# KiCad board HALTEST.kicad_pcb (continued)
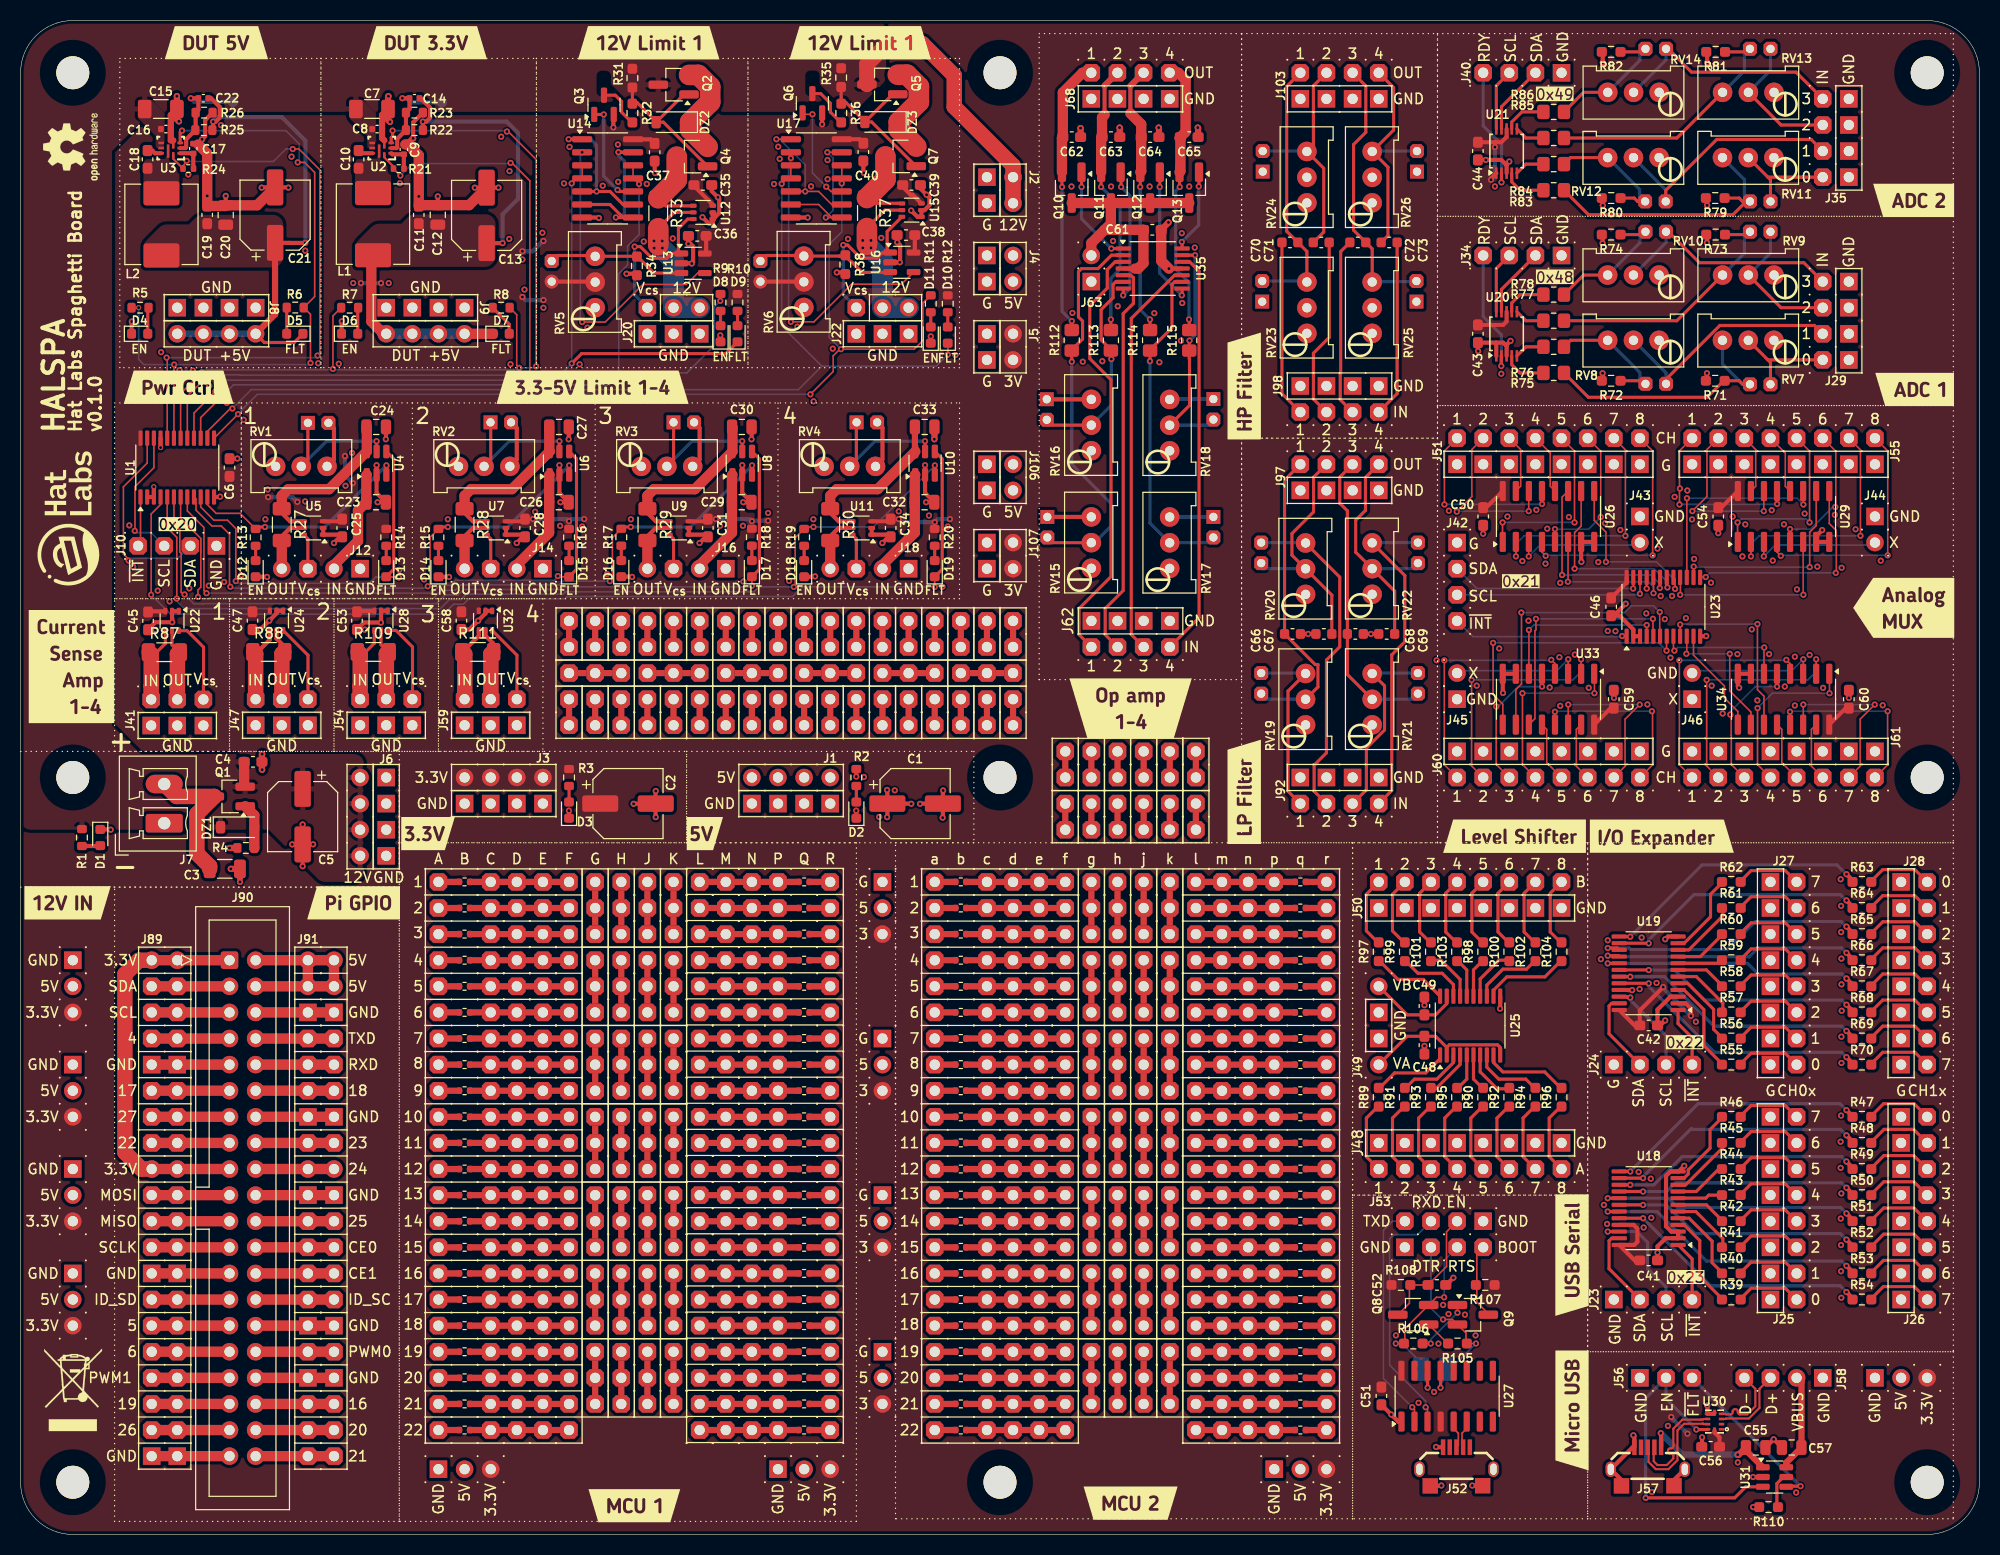
[diagram p0: board, top side]
## Routing (per net, layer and track width the routed paths; a pad name or vN(x,y) marks a point on that pad's centre or on a via; arc(x,y) is an arc through that point) (continued)
/USB serial interface/USB_D-: length 2.7
  Top w0.158: 140.28,8.49 140.18,8.59 140.18,9.85 140.64,10.31 U27.6
Net-(D1-A): length 1.8
  Top w0.4: R1.2 7.71,66.99 7.75,67.03
Net-(D2-A): length 1.6
  Top w0.3: D2.2 R2.2
Net-(D3-A): length 1.6
  Top w0.3: D3.2 R3.2
Net-(D4-A): length 2.6
  Top w0.3: R5.2 12.37,119.31 D4.2
Net-(D5-A): length 2.6
  Top w0.3: R6.2 25.88,119.39 D5.2
Net-(D6-A): length 2.6
  Top w0.3: R7.2 32.79,119.34 D6.2
Net-(D7-A): length 3.2
  Top w0.3: R8.2 47.52,117.77 D7.2
Net-(D8-A): length 1.4
  Top w0.3: D8.2 R9.2
Net-(D9-A): length 1.4
  Top w0.3: D9.2 R10.2
Net-(D10-A): length 1.4
  Top w0.3: D10.2 R11.2
Net-(D11-A): length 1.4
  Top w0.3: D11.2 R12.2
Net-(D12-A): length 1.6
  Top w0.3: D12.2 22.86,96.39
Net-(D13-A): length 1.7
  Top w0.3: D13.2 35.56,96.46
Net-(D14-A): length 1.6
  Top w0.3: D14.2 40.64,96.39
Net-(D15-A): length 1.7
  Top w0.3: D15.2 53.34,96.46
Net-(D16-A): length 1.6
  Top w0.3: 58.42,94.77 58.42,96.39
Net-(D17-A): length 1.7
  Top w0.3: 71.12,94.77 71.12,96.46
Net-(D18-A): length 1.6
  Top w0.3: D18.2 76.2,96.39
Net-(D19-A): length 1.7
  Top w0.3: D19.2 88.9,96.46
Net-(J69-Pin_1): length 2
  Top w0.6: J69.1 R116.1
Net-(J69-Pin_2): length 2
  Top w0.6: J69.2 R117.1
Net-(J69-Pin_3): length 2
  Top w0.6: J69.3 R118.1
Net-(J69-Pin_4): length 2
  Top w0.6: J69.4 R119.1
Net-(J69-Pin_5): length 2
  Top w0.6: J69.5 R120.1
Net-(J69-Pin_6): length 2
  Top w0.6: J69.6 R121.1
Net-(J69-Pin_7): length 2
  Top w0.6: J69.7 R122.1
Net-(J69-Pin_8): length 2
  Top w0.6: J69.8 R123.1
Net-(J69-Pin_9): length 2
  Top w0.6: J69.9 R124.1
Net-(J69-Pin_10): length 2
  Top w0.6: J69.10 R125.1
Net-(J69-Pin_11): length 2
  Top w0.6: J69.11 R126.1
Net-(J69-Pin_12): length 2
  Top w0.6: J69.12 R127.1
Net-(J69-Pin_13): length 2
  Top w0.6: J69.13 R128.1
Net-(J69-Pin_14): length 2
  Top w0.6: J69.14 R129.1
Net-(J69-Pin_15): length 2
  Top w0.6: J69.15 R130.1
Net-(J69-Pin_16): length 2
  Top w0.6: J69.16 R131.1
Net-(J69-Pin_17): length 2
  Top w0.6: J69.17 R132.1
Net-(J69-Pin_18): length 2
  Top w0.6: J69.18 R133.1
Net-(J69-Pin_19): length 2
  Top w0.6: J69.19 R134.1
Net-(J69-Pin_20): length 2
  Top w0.6: J69.20 R135.1
Net-(J69-Pin_21): length 2
  Top w0.6: J69.21 R136.1
Net-(J69-Pin_22): length 2
  Top w0.6: J69.22 R137.1
Net-(J70-Pin_1): length 9.7
  Top w0.6: R116.2 J72.1 J73.1
Net-(J70-Pin_2): length 9.7
  Top w0.6: J73.2 J72.2 R117.2
Net-(J70-Pin_3): length 9.7
  Top w0.6: R118.2 J72.3 J73.3
Net-(J70-Pin_4): length 9.7
  Top w0.6: R119.2 J72.4 J73.4
Net-(J70-Pin_5): length 9.7
  Top w0.6: J73.5 J72.5 R120.2
Net-(J70-Pin_6): length 12.2
  Top w0.6: J72.6 J73.6 ; J72.6 J71.6 ; J72.6 R121.2
Net-(J70-Pin_7): length 9.7
  Top w0.6: R122.2 J72.7 J73.7
Net-(J70-Pin_8): length 9.7
  Top w0.6: J73.8 J72.8 R123.2
Net-(J70-Pin_9): length 12.2
  Top w0.6: R124.2 J72.9 ; J72.9 J73.9 ; J72.9 J71.9
Net-(J70-Pin_10): length 12.2
  Top w0.6: R125.2 J72.10 ; J72.10 J73.10 ; J72.10 J71.10
Net-(J70-Pin_11): length 12.2
  Top w0.6: R126.2 J72.11 ; J72.11 J71.11 ; J72.11 J73.11
Net-(J70-Pin_12): length 9.7
  Top w0.6: J73.12 J72.12 R127.2
Net-(J70-Pin_13): length 9.7
  Top w0.6: R128.2 J72.13 J73.13
Net-(J70-Pin_14): length 9.7
  Top w0.6: J73.14 J72.14 R129.2
Net-(J70-Pin_15): length 9.7
  Top w0.6: J73.15 J72.15 R130.2
Net-(J70-Pin_16): length 9.7
  Top w0.6: J73.16 J72.16 R131.2
Net-(J70-Pin_17): length 9.7
  Top w0.6: R132.2 J72.17 J73.17
Net-(J70-Pin_18): length 9.7
  Top w0.6: R133.2 J72.18 J73.18
Net-(J70-Pin_19): length 9.7
  Top w0.6: J73.19 J72.19 R134.2
Net-(J70-Pin_20): length 9.7
  Top w0.6: J73.20 J72.20 R135.2
Net-(J70-Pin_21): length 9.7
  Top w0.6: R136.2 J72.21 J73.21
Net-(J70-Pin_22): length 9.7
  Top w0.6: J73.22 J72.22 R137.2
Net-(J74-Pin_1): length 9.7
  Top w0.6: J74.1 J75.1 R138.2
Net-(J74-Pin_2): length 9.7
  Top w0.6: J74.2 J75.2 R139.2
Net-(J74-Pin_3): length 12.2
  Top w0.6: J75.3 J74.3 ; J75.3 R140.2 ; J75.3 J76.3
Net-(J74-Pin_4): length 9.7
  Top w0.6: J74.4 J75.4 R141.2
Net-(J74-Pin_5): length 12.2
  Top w0.6: R142.2 J75.5 ; J75.5 J76.5 ; J75.5 J74.5
Net-(J74-Pin_6): length 12.2
  Top w0.6: J75.6 J76.6 ; J75.6 J74.6 ; J75.6 R143.2
Net-(J74-Pin_7): length 9.7
  Top w0.6: R144.2 J75.7 J74.7
Net-(J74-Pin_8): length 9.7
  Top w0.6: R145.2 J75.8 J74.8
Net-(J74-Pin_9): length 9.7
  Top w0.6: R146.2 J75.9 J74.9
Net-(J74-Pin_10): length 9.7
  Top w0.6: R147.2 J75.10 J74.10
Net-(J74-Pin_11): length 9.7
  Top w0.6: R148.2 J75.11 J74.11
Net-(J74-Pin_12): length 9.7
  Top w0.6: J74.12 J75.12 R149.2
Net-(J74-Pin_13): length 12.2
  Top w0.6: J75.13 J76.13 ; J75.13 J74.13 ; J75.13 R150.2
Net-(J74-Pin_14): length 9.7
  Top w0.6: R151.2 J75.14 J74.14
Net-(J74-Pin_15): length 9.7
  Top w0.6: J74.15 J75.15 R152.2
Net-(J74-Pin_16): length 9.7
  Top w0.6: R153.2 J75.16 J74.16
Net-(J74-Pin_17): length 9.7
  Top w0.6: J74.17 J75.17 R154.2
Net-(J74-Pin_18): length 9.7
  Top w0.6: R155.2 J75.18 J74.18
Net-(J74-Pin_19): length 9.7
  Top w0.6: R156.2 J75.19 J74.19
Net-(J74-Pin_20): length 9.7
  Top w0.6: J74.20 J75.20 R157.2
Net-(J74-Pin_21): length 12.2
  Top w0.6: J75.21 J74.21 ; J75.21 R158.2 ; J75.21 J76.21
Net-(J74-Pin_22): length 9.7
  Top w0.6: R159.2 J75.22 J74.22
Net-(J78-Pin_1): length 2
  Top w0.6: J78.1 R138.1
Net-(J78-Pin_2): length 2
  Top w0.6: J78.2 R139.1
Net-(J78-Pin_3): length 2
  Top w0.6: J78.3 R140.1
Net-(J78-Pin_4): length 2
  Top w0.6: J78.4 R141.1
Net-(J78-Pin_5): length 2
  Top w0.6: J78.5 R142.1
Net-(J78-Pin_6): length 2
  Top w0.6: J78.6 R143.1
Net-(J78-Pin_7): length 2
  Top w0.6: J78.7 R144.1
Net-(J78-Pin_8): length 2
  Top w0.6: J78.8 R145.1
Net-(J78-Pin_9): length 2
  Top w0.6: J78.9 R146.1
Net-(J78-Pin_10): length 2
  Top w0.6: J78.10 R147.1
Net-(J78-Pin_11): length 2
  Top w0.6: J78.11 R148.1
Net-(J78-Pin_12): length 2
  Top w0.6: J78.12 R149.1
Net-(J78-Pin_13): length 2
  Top w0.6: J78.13 R150.1
Net-(J78-Pin_14): length 2
  Top w0.6: J78.14 R151.1
Net-(J78-Pin_15): length 2
  Top w0.6: J78.15 R152.1
Net-(J78-Pin_16): length 2
  Top w0.6: J78.16 R153.1
Net-(J78-Pin_17): length 2
  Top w0.6: J78.17 R154.1
Net-(J78-Pin_18): length 2
  Top w0.6: J78.18 R155.1
Net-(J78-Pin_19): length 2
  Top w0.6: J78.19 R156.1
Net-(J78-Pin_20): length 2
  Top w0.6: J78.20 R157.1
Net-(J78-Pin_21): length 2
  Top w0.6: J78.21 R158.1
Net-(J78-Pin_22): length 2
  Top w0.6: J78.22 R159.1
Net-(J79-Pin_1): length 2
  Top w0.6: J79.1 R160.1
Net-(J79-Pin_2): length 2
  Top w0.6: J79.2 R161.1
Net-(J79-Pin_3): length 2
  Top w0.6: J79.3 R162.1
Net-(J79-Pin_4): length 2
  Top w0.6: J79.4 R163.1
Net-(J79-Pin_5): length 2
  Top w0.6: J79.5 R164.1
Net-(J79-Pin_6): length 2
  Top w0.6: J79.6 R165.1
Net-(J79-Pin_7): length 2
  Top w0.6: J79.7 R166.1
Net-(J79-Pin_8): length 2
  Top w0.6: J79.8 R167.1
Net-(J79-Pin_9): length 2
  Top w0.6: J79.9 R168.1
Net-(J79-Pin_10): length 2
  Top w0.6: J79.10 R169.1
Net-(J79-Pin_11): length 2
  Top w0.6: J79.11 R170.1
Net-(J79-Pin_12): length 2
  Top w0.6: J79.12 R171.1
Net-(J79-Pin_13): length 2
  Top w0.6: J79.13 R172.1
Net-(J79-Pin_14): length 2
  Top w0.6: J79.14 R173.1
Net-(J79-Pin_15): length 2
  Top w0.6: J79.15 R174.1
Net-(J79-Pin_16): length 2
  Top w0.6: J79.16 R175.1
Net-(J79-Pin_17): length 2
  Top w0.6: J79.17 R176.1
Net-(J79-Pin_18): length 2
  Top w0.6: J79.18 R177.1
Net-(J79-Pin_19): length 2
  Top w0.6: J79.19 R178.1
Net-(J79-Pin_20): length 2
  Top w0.6: J79.20 R179.1
Net-(J79-Pin_21): length 2
  Top w0.6: J79.21 R180.1
Net-(J79-Pin_22): length 2
  Top w0.6: J79.22 R181.1
Net-(J80-Pin_1): length 9.6
  Top w0.6: R160.2 J82.1 J83.1
Net-(J80-Pin_2): length 9.6
  Top w0.6: J83.2 J82.2 R161.2
Net-(J80-Pin_3): length 9.6
  Top w0.6: R162.2 J82.3 J83.3
Net-(J80-Pin_4): length 9.6
  Top w0.6: R163.2 J82.4 J83.4
Net-(J80-Pin_5): length 9.6
  Top w0.6: R164.2 J82.5 J83.5
Net-(J80-Pin_6): length 9.6
  Top w0.6: R165.2 J82.6 J83.6
Net-(J80-Pin_7): length 9.6
  Top w0.6: J83.7 J82.7 R166.2
Net-(J80-Pin_8): length 9.6
  Top w0.6: R167.2 J82.8 J83.8
Net-(J80-Pin_9): length 9.6
  Top w0.6: J83.9 J82.9 R168.2
Net-(J80-Pin_10): length 9.6
  Top w0.6: R169.2 J82.10 J83.10
Net-(J80-Pin_11): length 9.6
  Top w0.6: J83.11 J82.11 R170.2
Net-(J80-Pin_12): length 9.6
  Top w0.6: R171.2 J82.12 J83.12
Net-(J80-Pin_13): length 9.6
  Top w0.6: J83.13 J82.13 R172.2
Net-(J80-Pin_14): length 9.6
  Top w0.6: J83.14 J82.14 R173.2
Net-(J80-Pin_15): length 9.6
  Top w0.6: R174.2 J82.15 J83.15
Net-(J80-Pin_16): length 9.6
  Top w0.6: R175.2 J82.16 J83.16
Net-(J80-Pin_17): length 9.6
  Top w0.6: R176.2 J82.17 J83.17
Net-(J80-Pin_18): length 9.6
  Top w0.6: R177.2 J82.18 J83.18
Net-(J80-Pin_19): length 9.6
  Top w0.6: R178.2 J82.19 J83.19
Net-(J80-Pin_20): length 9.6
  Top w0.6: J83.20 J82.20 R179.2
Net-(J80-Pin_21): length 9.6
  Top w0.6: J83.21 J82.21 R180.2
Net-(J80-Pin_22): length 9.6
  Top w0.6: J83.22 J82.22 R181.2
Net-(J84-Pin_1): length 9.6
  Top w0.6: R182.2 J86.1 J84.1
Net-(J84-Pin_2): length 9.6
  Top w0.6: J84.2 J86.2 R183.2
Net-(J84-Pin_3): length 9.6
  Top w0.6: R184.2 J86.3 J84.3
Net-(J84-Pin_4): length 9.6
  Top w0.6: R185.2 J86.4 J84.4
Net-(J84-Pin_5): length 9.6
  Top w0.6: R186.2 J86.5 J84.5
Net-(J84-Pin_6): length 9.6
  Top w0.6: J84.6 J86.6 R187.2
Net-(J84-Pin_7): length 9.6
  Top w0.6: J84.7 J86.7 R188.2
Net-(J84-Pin_8): length 9.6
  Top w0.6: R189.2 J86.8 J84.8
Net-(J84-Pin_9): length 9.6
  Top w0.6: R190.2 J86.9 J84.9
Net-(J84-Pin_10): length 9.6
  Top w0.6: R191.2 J86.10 J84.10
Net-(J84-Pin_11): length 9.6
  Top w0.6: J84.11 J86.11 R192.2
Net-(J84-Pin_12): length 9.6
  Top w0.6: J84.12 J86.12 R193.2
Net-(J84-Pin_13): length 9.6
  Top w0.6: J84.13 J86.13 R194.2
Net-(J84-Pin_14): length 9.6
  Top w0.6: J84.14 J86.14 R195.2
Net-(J84-Pin_15): length 9.6
  Top w0.6: R196.2 J86.15 J84.15
Net-(J84-Pin_16): length 9.6
  Top w0.6: J84.16 J86.16 R197.2
Net-(J84-Pin_17): length 9.6
  Top w0.6: R198.2 J86.17 J84.17
Net-(J84-Pin_18): length 9.6
  Top w0.6: R199.2 J86.18 J84.18
Net-(J84-Pin_19): length 9.6
  Top w0.6: R200.2 J86.19 J84.19
Net-(J84-Pin_20): length 9.6
  Top w0.6: J84.20 J86.20 R201.2
Net-(J84-Pin_21): length 9.6
  Top w0.6: J84.21 J86.21 R202.2
Net-(J84-Pin_22): length 9.6
  Top w0.6: J84.22 J86.22 R203.2
Net-(J88-Pin_1): length 2
  Top w0.6: J88.1 R182.1
Net-(J88-Pin_2): length 2
  Top w0.6: J88.2 R183.1
Net-(J88-Pin_3): length 2
  Top w0.6: J88.3 R184.1
Net-(J88-Pin_4): length 2
  Top w0.6: J88.4 R185.1
Net-(J88-Pin_5): length 2
  Top w0.6: J88.5 R186.1
Net-(J88-Pin_6): length 2
  Top w0.6: J88.6 R187.1
Net-(J88-Pin_7): length 2
  Top w0.6: J88.7 R188.1
Net-(J88-Pin_8): length 2
  Top w0.6: J88.8 R189.1
Net-(J88-Pin_9): length 2
  Top w0.6: J88.9 R190.1
Net-(J88-Pin_10): length 2
  Top w0.6: J88.10 R191.1
Net-(J88-Pin_11): length 2
  Top w0.6: J88.11 R192.1
Net-(J88-Pin_12): length 2
  Top w0.6: J88.12 R193.1
Net-(J88-Pin_13): length 2
  Top w0.6: J88.13 R194.1
Net-(J88-Pin_14): length 2
  Top w0.6: J88.14 R195.1
Net-(J88-Pin_15): length 2
  Top w0.6: J88.15 R196.1
Net-(J88-Pin_16): length 2
  Top w0.6: J88.16 R197.1
Net-(J88-Pin_17): length 2
  Top w0.6: J88.17 R198.1
Net-(J88-Pin_18): length 2
  Top w0.6: J88.18 R199.1
Net-(J88-Pin_19): length 2
  Top w0.6: J88.19 R200.1
Net-(J88-Pin_20): length 2
  Top w0.6: J88.20 R201.1
Net-(J88-Pin_21): length 2
  Top w0.6: J88.21 R202.1
Net-(J88-Pin_22): length 2
  Top w0.6: J88.22 R203.1
Net-(U31-ILIM): length 3.5
  Top w0.3: 170.81,2.66 170.8,2.67 170.8,4.96 171.43,5.59 U31.5

## Copper pours and planes (outline as drawn; the poured copper is in the pictures)
+3.3V on Top: 0,147.32 190.5,147.32 190.5,0 0,0
+3.3VD on Top: 32.6,125.7 34.45,127.55 37.02,127.55 37.95,128.47 46.2,128.47 46.2,124 45.55,123.35 32.6,123.35
+5V on Bottom: 0,147.32 190.5,147.32 190.5,0 0,0
+5VD on Top: 11.95,125.64 13.8,127.49 16.38,127.49 17.3,128.41 25.55,128.41 25.55,123.94 24.9,123.29 11.95,123.29
+12V on Top: 12.74,139.61 14.1,138.25 14.1,134.66 13.15,134.66 13.15,136.07 11.41,137.81 11.41,139.61
+12V on Top: 33.3,139.61 34.66,138.25 34.66,134.66 33.71,134.66 33.71,136.07 31.98,137.81 31.98,139.61
+12V on Top: 33.4,75.95 11.68,75.95 8.89,78.74 8.89,134.62 12.7,138.43 81.09,138.43 84.18,141.52 84.18,147.32 0,147.32 0,68.58 24.13,68.58 29.21,63.5 33.4,63.5
GND on In1.Cu, In2.Cu: 0,147.32 190.5,147.32 190.5,0 0,0
/DUT Power/Buck 3.3V/SW on Top: 35.17,135.39 34.67,135.39 34.67,133.89 32.52,133.89 32.52,129.36 36.02,129.36 36.02,133.14 35.17,133.99
/DUT Power/Buck 5V/SW on Top: 14.6,135.36 14.1,135.36 14.1,133.86 11.95,133.86 11.95,129.34 15.45,129.34 15.45,133.11 14.6,133.96

## Text on the board
B.Silkscreen: DTR | GND | PWM1 | 3.3V | SDA | SCL | 4 | 17 | 27 | 2 | 22 | MOSI | MISO | SCLK | ID_SD | 5 | 6 | 19 | 26 | 1 | 3 | 7 | 8 | 9 | 10 | 11 | 12 | 13 | 14 | 15 | 16 | 18 | 20 | 21 | G | TXD | X | 0 | RXD | DUT +5V | OUT | V_{cs} | IN | CH | CH0x | CH1x | A | B | C | D | E | F | H | J | K | 12V | L | M | N | P | Q | R | a | b | c | d | e | f | g | h | j | k | l | m | n | p | q | r | RTS | 5V | 23 | 24 | 25 | CE0 | CE1 | ID_SC | PWM0 | VB | VA | ~{INT} | BOOT | EN | RDY | ~{FLT} | D- | D+ | VBUS
F.Silkscreen: EN | FLT | RTS | 5V | GND | TXD | RXD | 18 | 23 | 24 | 25 | CE0 | CE1 | ID_SC | PWM0 | 16 | 20 | 21 | OUT | IN | VB | VA | G | SDA | SCL | ~{INT} | X | BOOT | B | A | 7 | 6 | 5 | 4 | 3 | 2 | 1 | 0 | 0x22 | 0x23 | DUT +5V | V_{cs} | 12V | 3V | 8 | 0x20 | 0x21 | 0x49 | 0x48 | CH | CH0x | CH1x | C | D | E | F | H | J | K | L | M | N | P | Q | R | a | b | c | d | e | f | g | h | j | k | l | m | n | p | q | r | DTR | 3.3V | PWM1 | 17 | 27 | 22 | MOSI | MISO | SCLK | ID_SD | 19 | 26 | 9 | 10 | 11 | 12 | 13 | 14 | 15 | RDY | ~{FLT} | D- | D+ | VBUS | Hat Labs Spaghetti Board / v0.1.0 | + | - | HALSPA
